# KiCad board mainboard.kicad_pcb (continued)
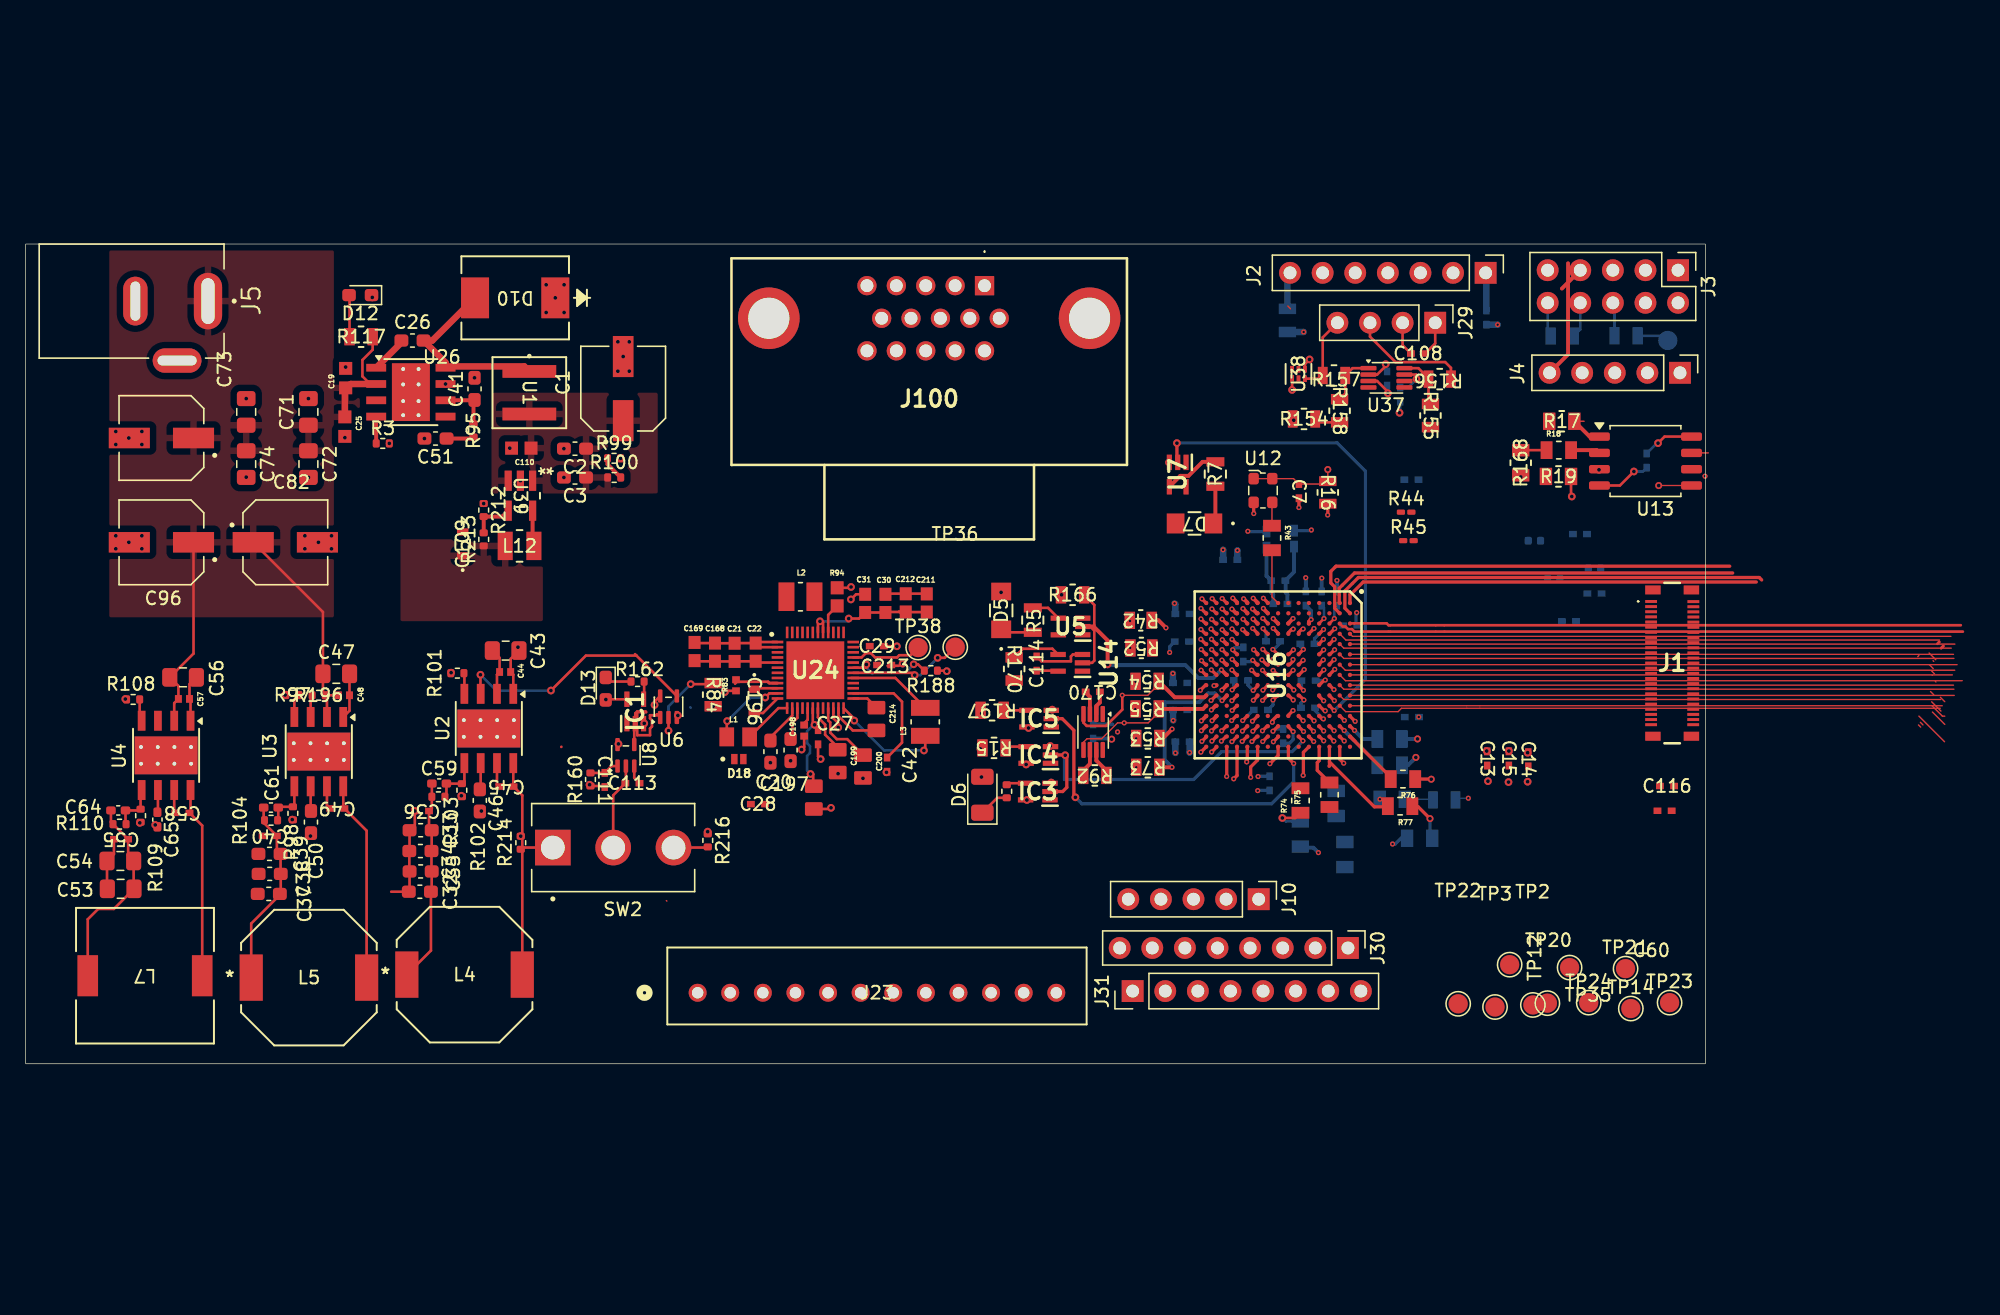
[diagram p0: board, top side]
## Routing (per net, layer and track width the routed paths; a pad name or vN(x,y) marks a point on that pad's centre or on a via; arc(x,y) is an arc through that point) (continued)
P5V: length 21.1
  Top w0.2: U38.1 v1(98.66,52.51) ; C169.1 52.16,32.78 C168.1 53.71,32.77 C21.1 55.24,32.78 C22.1 ; U24.2 57.19,32.46 C22.1 ; C22.1 56.95,32.86 U24.1 ; U24.10 56.84,29.26 C196.1 56.91,29.04 ; C214.1 65.57,28.46 U24.25 ; 61.35,21.89 61.35,22.55 61.32,22.58 v1(61.14,22.58) ; v1(61.46,26.4) 61.53,26.4 61.73,26.21 C27.1 61.32,26.4 U24.18
  Bottom w0.2: v1(61.14,22.58) 60.87,22.85 60.87,23.99 61.1,24.21 61.1,24.75 60.87,24.97 60.87,25.91 61.37,26.4 v1(61.46,26.4)
V2V5: length 3.9
  Top w0.2: U24.19 61.72,26.99 62.28,26.43 62.28,25.64 63.26,24.66 C199.1
(no net): length 0.1
  Top w0.2: 117,21.97 v1(117.01,21.98) ; v1(115.52,21.95) 115.52,21.96 115.53,21.97 ; v1(113.92,22.02) 113.9,22.04 113.9,22.06
/DLPA2005_Interface/<NO NET>: length 3.8
  Top w0.2: L1.1 58.64,27.71 U24.13
/DLPA2005_Interface/LED_ANODE: length 11.4
  Top w0.2: C212.1 67.02,35.2 C30.1 65.4,35.16 C31.1 64.93,34.69 v1(64.12,34.69) ; 61.86,34.46 62.08,34.46 62.12,34.42 U24.41 ; 61.86,34.46 61.76,34.46 61.72,34.42 U24.42 ; 61.86,34.46 61.87,34.46 v1(61.88,34.47) ; 68.04,35.24 68.09,35.19 C211.1
  Bottom w0.2: v1(64.12,34.69) 64.1,34.67 64.1,34.47 v1(61.88,34.47)
/DLPA2005_Interface/LED_SEL_1: length 2.2
  Bottom w0.1: R174.2 109.59,20.61 R171.2
/DLPA2005_Interface/PMIC_SPI_DOUT: length 4.5
  Top w0.2: 57.88,29.66 U24.9 57.95,29.66 57.85,29.76 55.41,29.76 55.27,29.63 55.27,29.85 R83.1 55.4,29.99
/DLPA2005_Interface/PROJ_ON: length 9.5
  Top w0.2: U6.1 49.18,27.23 49.11,27.16 48.64,27.16 48.64,26.92 48.79,26.77 48.79,26.27 48.64,26.12 48.64,25.6 47.64,25.6 47.64,26.22 47.59,26.27 47.59,26.77 47.64,26.82 47.64,27.4 48.33,27.4 48.29,27.44 47.63,27.44 47.49,27.3 IC1.2 47.41,26.42 U8.4
/DLPA2005_Interface/PWM_IN: length 8.9
  Top w0.2: U24.26 67.62,28.86 68.27,28.21 68.27,25.02 C42.2
/DLPA2005_Interface/RC_CHARGE: length 0.6
  Top w0.25: v3(97.2,25.09) 97.57,25.46 97.57,25.5
/DLPA2005_Interface/RLIM: length 2.4
  Top w0.2: U24.40 62.52,34.97 R94.1
/DLPA2005_Interface/SENS2: length 9
  Top w0.2: v1(71.05,31.63) 71.59,31.63 TP36.1 ; v1(69.26,30.28) 69.28,30.3 69.28,30.4 69.22,30.46 U24.30
  Bottom w0.2: v1(69.26,30.28) 69.7,30.28 v1(71.05,31.63)
/DLPA2005_Interface/SENS!: length 5.7
  Top w0.2: U24.33 65.12,31.66 65.45,31.99 65.84,31.99 66.17,31.66 67.88,31.66 68.05,31.83 68.93,31.83 TP38.1
/DLPA2005_Interface/SWC: length 8.9
  Top w0.2: L3.1 70.08,24.51 v1(69.98,24.41) ; v1(64.55,26.74) 64.55,26.88 U24.24
  Bottom w0.2: v1(64.55,26.74) 66.88,24.41 v1(69.98,24.41)
/DLPA2005_Interface/SWN: length 6.3
  Top w0.2: L1.2 54.62,26.67 v1(54.65,26.7) ; U24.11 57.94,28.86 v1(57.62,28.54) 57.62,28.54
  Bottom w0.2: 57.77,28.69 v1(57.62,28.54) 56.49,28.54 v1(54.65,26.7)
/DLPA2005_Interface/VRST: length 3.2
  Top w0.2: U24.14 59.72,27.13 58.02,25.43 C20.1
/DLPC1438_Interface/CMP_OUT: length 0.6
  Top w0.25: v3(103.57,26.68) 103.17,27.08 103.17,27.1
/DLPC1438_Interface/DATEN_CM_D: length 0.5
  Top w0.25: 92.77,35.1 92.75,35.1 v3(92.41,35.44)
/DLPC1438_Interface/DLPC_3DR: length 0.5
  Top w0.25: 93.57,31.9 93.57,31.9 v3(93.2,32.27)
/DLPC1438_Interface/DLPC_FLSH_PROG: length 2.5
  Bottom w0.2: R163.1 127.57,56.72 TP7.1
/DLPC1438_Interface/DLPC_HOST_IRQ: length 22.6
  Top w0.2: U14.2 83.08,31.24 83.25,31.41 83.25,33.75 82.93,34.07 U5.2 83.15,34.07 83.25,34.17 83.25,35.75 R166.2
  Top w0.3: 84.13,31.12 v1(84.29,31.12) 84.29,32.98 83.2,34.07 U5.2 ; v3(93.15,30.69) 93.54,30.3 93.57,30.3
  Bottom w0.3: v3(93.15,30.69) 92.52,30.06 91.36,30.06 90.36,31.06 84.33,31.06 84.33,31.08 v1(84.29,31.12)
/DLPC1438_Interface/DLPC_LED_SEL_0: length 1.4
  Top w0.25: v3(102.68,23.42) 102.37,23.73 102.37,24.7
/DLPC1438_Interface/DLPC_LED_SEL_1: length 1.6
  Top w0.25: v3(102.72,25.15) 102.37,25.5 102.37,25.5
  Bottom w0.1: 111.32,20.69 v3(112.39,20.69)
/DLPC1438_Interface/DLPC_PLLO: length 0.5
  Top w0.25: v3(96.42,36.27) 96.77,35.92 96.77,35.9
/DLPC1438_Interface/DLPC_SPICLK: length 2.5
  Top w0.25: 103.17,26.3 103.19,26.3 v3(103.52,25.97)
  Bottom w0.3: R172.2 104.18,25.31 v3(103.52,25.97)
/DLPC1438_Interface/DLPC_SPICSZ0: length 5.2
  Top w0.25: 103.56,25.13 103.19,25.5 103.17,25.5 106.34,22.33 R76.2
/DLPC1438_Interface/DLPC_SPIDOUT: length 4.3
  Top w0.25: 102.37,26.3 102.38,26.3 v3(102.72,25.96)
  Bottom w0.3: R173.2 105.31,23.38 v3(102.72,25.96)
/DLPC1438_Interface/DMD_DEN_ARSTZ: length 32.3
  Top w0.25: 102.37,35.9 102.33,35.94 102.33,37.05 103.52,38.24 132.98,38.24
/DLPC1438_Interface/DMD_HS_CLK_N: length 48.1
  Top w0.1: 102.37,31.1 102.81,30.66 150.28,30.66
/DLPC1438_Interface/DMD_HS_CLK_P: length 47.7
  Top w0.1: 148.31,31.09 148.61,30.79 ; 103.17,31.1 150.46,31.1
/DLPC1438_Interface/DMD_HS_WDATAA_N: length 47.3
  Top w0.1: 147.63,26.23 147.46,26.4 ; 149.15,27.7 107.18,27.7 106.92,27.43 102.83,27.43 102.37,27.9
/DLPC1438_Interface/DMD_HS_WDATAA_P: length 46.4
  Top w0.1: 103.17,27.9 149.3,27.9 ; 147.81,26.4 147.61,26.6
/DLPC1438_Interface/DMD_HS_WDATAB_N: length 49.8
  Top w0.1: 102.37,28.7 102.69,28.38 149.19,28.38 ; 147.49,27.09 149.49,25.09
/DLPC1438_Interface/DMD_HS_WDATAB_P: length 48.8
  Top w0.1: 148.4,29 148.65,28.75 ; 103.17,28.7 150.24,28.7 ; 148.55,27.4 149.51,26.44
/DLPC1438_Interface/DMD_HS_WDATAC_N: length 49.3
  Top w0.1: 149.51,27.08 149.32,27.08 148.52,27.89 ; 150.22,29.18 102.69,29.18 102.37,29.5
/DLPC1438_Interface/DMD_HS_WDATAC_P: length 48
  Top w0.1: 148.49,28.2 149.21,27.48 ; 103.17,29.5 150.18,29.5
/DLPC1438_Interface/DMD_HS_WDATAD_N: length 49.2
  Top w0.1: 149.17,28.55 149.51,28.21 ; 148.77,29.8 148.82,29.75 ; 102.37,30.3 102.82,29.85 150.86,29.85
/DLPC1438_Interface/DMD_HS_WDATAD_P: length 46.9
  Top w0.1: 103.17,30.3 150.09,30.3
/DLPC1438_Interface/DMD_HS_WDATAE_N: length 48
  Top w0.1: 148.52,30.29 148.54,30.27 ; 150.22,31.58 102.69,31.58 102.37,31.9
/DLPC1438_Interface/DMD_HS_WDATAE_P: length 47.3
  Top w0.1: 103.17,31.9 150.18,31.9 ; 148.49,30.6 148.71,30.38
/DLPC1438_Interface/DMD_HS_WDATAF_N: length 48.2
  Top w0.1: 150.01,32.38 102.69,32.38 102.37,32.7
  Top w0.2: 149.25,32.4 149.39,32.54 149.22,32.38
/DLPC1438_Interface/DMD_HS_WDATAF_P: length 47.2
  Top w0.1: 148.6,31.4 148.65,31.35 ; 103.17,32.7 150.29,32.7
/DLPC1438_Interface/DMD_HS_WDATAG_N: length 47
  Top w0.1: 102.37,33.5 102.85,33.01 149.1,33.01 ; 147.4,31.72 147.49,31.8
/DLPC1438_Interface/DMD_HS_WDATAG_P: length 47.6
  Top w0.1: 103.17,33.5 103.37,33.3 149.98,33.3 ; 148.29,32 148.81,31.48
/DLPC1438_Interface/DMD_HS_WDATAH_N: length 48.8
  Top w0.2: 102.37,34.3 102.6,34.07 102.81,34.07 103.02,33.86 103.32,33.86 103.52,33.67 150.92,33.67
/DLPC1438_Interface/DMD_HS_WDATAH_P: length 47.9
  Top w0.2: 103.17,34.32 106.02,34.32 106.17,34.17 150.76,34.17 ; 149.06,32.87 149.07,32.86 148.93,32.72
/DLPC1438_Interface/DMD_LS_RDATA: length 34.8
  Top w0.25: 102.37,35.1 101.98,35.49 101.98,35.64 101.98,35.64 101.98,37.16 101.68,37.46 101.68,38.36 102.08,38.77 132.75,38.77
/DLPC1438_Interface/EXT_I2CPWR: length 2.7
  Top w0.2: J29.1 109.81,56.13 C108.2
/DLPC1438_Interface/EXT_SCL: length 9.3
  Top w0.2: J29.3 104.73,56.65 106.71,54.67 110.58,54.67 111.04,54.22 R156.1
/DLPC1438_Interface/EXT_SCL_T: length 4.3
  Top w0.2: R155.1 109.28,51.57 R156.2 108.81,53.82 108.81,53.89 108.5,54.2 U37.8
/DLPC1438_Interface/EXT_SDA: length 6.1
  Top w0.2: U38.3 100.8,53.38 R157.1 101.05,56.6 J29.4
/DLPC1438_Interface/EXT_SDA_T: length 4.1
  Top w0.2: U37.1 103.37,54.2 R157.2 102.8,52.22 R158.1
/DLPC1438_Interface/FPGA_RDY: length 0.6
  Top w0.25: 95.97,25.5 95.92,25.5 v3(95.53,25.11)
/DLPC1438_Interface/GPIO_1: length 7.8
  Top w0.25: 101.57,24.7 101.57,23.52 ; 101.57,23.52 101.57,23.21 101.54,23.18 ; 101.57,23.52 105.07,20.02 106.39,20.02
/DLPC1438_Interface/GPIO_2: length 0.5
  Top w0.25: v3(101.12,25.16) 100.78,25.5 100.77,25.5
/DLPC1438_Interface/GPIO_3: length 3.2
  Top w0.25: R75.2 100.62,22.86 100.62,23.47 100.77,23.62 100.77,24.7
/DLPC1438_Interface/GPIO_4: length 0.5
  Top w0.25: v3(100.34,25.11) 99.97,25.48 99.97,25.5
/DLPC1438_Interface/GPIO_5: length 2.4
  Top w0.25: v3(99.52,22.47) 99.54,22.49 99.54,24.27 99.97,24.7
/DLPC1438_Interface/GPIO_12: length 0.6
  Top w0.25: 96.77,25.5 96.76,25.5 v3(96.37,25.11)
/DLPC1438_Interface/GPIO_15: length 3.2
  Top w0.25: v3(95.43,22.32) 95.43,23.12 95.97,23.66 95.97,24.7
  In1.Cu w0.2: 103.4,-17.05 103.34,-17.11 103.34,-17.58
/DLPC1438_Interface/GPIO_16: length 0.6
  Top w0.25: v3(94.77,25.12) 95.15,25.5 95.17,25.5
/DLPC1438_Interface/GPIO_17: length 1.2
  Top w0.25: 95.17,24.7 95.17,23.57 v3(95.12,23.52)
/DLPC1438_Interface/GPIO_18: length 0.6
  Top w0.25: 94.37,25.5 v3(93.97,25.1)
/DLPC1438_Interface/GPIO_19: length 2.6
  Top w0.25: v3(94.11,22.2) 94.37,22.46 94.37,24.7
/DLPC1438_Interface/HOST_IR: length 3.9
  Top w0.2: R170.1 77.68,32.34 79.98,32.34 U14.4
/DLPC1438_Interface/HSYNC: length 0.5
  Top w0.3: 93.57,32.7 93.56,32.7 v3(93.22,33.04)
/DLPC1438_Interface/I2C1_33_EN: length 2.2
  Top w0.3: R92.2 82.39,22.84 82.91,23.36 U22.6
/DLPC1438_Interface/IIC0_SCL: length 11.8
  Top w0.3: 93.57,28.7 93.57,28.67 v3(93.2,28.3) ; R73.1 89.3,23.1 v3(89.3,23.1)
  Bottom w0.3: v3(89.3,23.1) 88.74,23.67 88.74,28.17 91.43,28.17 92.12,28.86 92.64,28.86 v3(93.2,28.3)
/DLPC1438_Interface/IIC0_SDA: length 1.8
  Top w0.3: R53.1 88.58,25.35 v3(89.31,26.08) ; v3(93.19,29.11) 93.57,29.49 93.57,29.5
/DLPC1438_Interface/IIC1_SCL_1p8: length 11.9
  Top w0.1: 88.52,27.9 R55.1 88.27,27.38 87.45,26.56 v3(85.58,26.56) 85.06,26.56 83.83,25.33 82.68,25.33 82.41,25.05 U22.5
  Top w0.3: R55.1 91.72,27.65 91.97,27.9
/DLPC1438_Interface/IIC1_SDA_1p8: length 13.1
  Top w0.1: 85.5,28.71 87.42,28.71 88.27,29.56 R54.1
  Top w0.2: U22.4 82.41,26.57 82.66,26.33 84.16,26.33 85.43,27.6 v3(85.43,28.71)
  Top w0.3: R54.1 89.51,28.56 91.83,28.56 91.97,28.7
/DLPC1438_Interface/INTZ: length 7.7
  Top w0.2: v1(51.81,29.58) 53.48,29.58 R84.1 ; U6.2 v1(50.08,25.95)
  Top w0.25: 101.57,26.3 101.58,26.3 v3(101.93,25.95)
  Bottom w0.2: v1(50.08,25.95) 50.08,27.85 v1(51.81,29.58) ; 51.81,27.74 51.78,27.77
/DLPC1438_Interface/JTAG_TCK: length 0.5
  Top w0.3: v3(92.42,26.73) 92.77,27.08 92.77,27.1
/DLPC1438_Interface/JTAG_TDI: length 0.5
  Top w0.25: 92.77,26.3 92.75,26.3 v3(92.38,25.93)
/DLPC1438_Interface/JTAG_TDO: length 0.5
  Top w0.25: v3(93.17,25.94) 93.53,26.3 93.57,26.3
/DLPC1438_Interface/JTAG_TMS: length 0.5
  Top w0.25: v3(94.01,25.91) 94.37,26.27 94.37,26.3
/DLPC1438_Interface/JTAG_TRSTZ: length 4
  Top w0.1: 98.32,59.04 98.54,58.82
  Top w0.3: v3(92.37,27.57) 92.7,27.9 92.77,27.9
  Bottom w0.1: 98.5,59.02 R164.2
  Bottom w0.5: R164.2 98.3,61.43 J2.7
/DLPC1438_Interface/LS_CLK: length 32.7
  Top w0.25: 103.17,35.9 103.17,36.58 103.24,36.58 104.2,37.54 134.82,37.54
/DLPC1438_Interface/LS_WDATA: length 34.9
  Top w0.25: 135.24,37.7 135.05,37.89 103.82,37.89 102.77,36.84 102.77,35.5 103.17,35.1
/DLPC1438_Interface/OSC_OUT: length 4.3
  Top w0.1: R43.2 97.09,36.38 97.57,35.9
/DLPC1438_Interface/OSC_OUT_T: length 1.8
  Top w0.1: U12.3 97.09,43.72 R43.1
/DLPC1438_Interface/PCLK: length 0.5
  Top w0.25: 92.77,34.3 92.72,34.3 v3(92.39,34.63)
/DLPC1438_Interface/PDATA0: length 0.5
  Top w0.3: v3(95.58,35.44) 95.92,35.1 95.97,35.1
/DLPC1438_Interface/PDATA1: length 0.5
  Top w0.3: 95.97,35.9 95.97,35.93 v3(95.63,36.27)
/DLPC1438_Interface/PDATA2: length 0.5
  Top w0.3: 95.17,35.1 95.17,35.12 v3(94.83,35.46)
/DLPC1438_Interface/PDATA3: length 0.5
  Top w0.3: v3(94.88,36.23) 95.17,35.94 95.17,35.9
/DLPC1438_Interface/PDATA4: length 0.5
  Top w0.3: 94.37,35.1 94.3,35.1 v3(93.97,35.43)
/DLPC1438_Interface/PDATA5: length 0.5
  Top w0.3: v3(94.04,36.28) 94.37,35.95 94.37,35.9
/DLPC1438_Interface/PDATA6: length 0.5
  Top w0.25: v3(93.21,35.44) 93.55,35.1 93.57,35.1
/DLPC1438_Interface/PDATA7: length 0.5
  Top w0.25: 93.57,35.9 93.56,35.9 v3(93.21,36.25)
/DLPC1438_Interface/PDM_CVS_TE: length 1.9
  Top w0.1: R42.1 87.8,34.55
  Top w0.3: v3(93.21,33.82) 93.53,33.5 93.57,33.5 ; v3(88.83,33.97) 88.25,34.55 R42.1
/DLPC1438_Interface/RESETZ: length 37.3
  Top w0.25: v3(101.94,27.52) 101.57,27.89 101.57,27.9 ; U7.2 89.69,46.92 v1(89.69,48.36)
  Bottom w0.25: v1(89.69,48.36) 89.71,48.38 102.17,48.38 104.37,46.18 104.37,29.95 v3(101.94,27.52)
/DLPC1438_Interface/RSTZ_LED: length 2.7
  Top w0.3: R7.1 92.68,42.25
/DLPC1438_Interface/RSTZ_LED_OUT: length 4.4
  Top w0.3: U7.4 89.95,45.81 90.59,45.81 91.68,46.9 R7.2
/DLPC1438_Interface/SPI0_5V: length 2.7
  Top w0.2: 126.13,59.23 J3.4
  Bottom w0.2: J3.6 123.78,59.17 R163.2
/DLPC1438_Interface/SPI0_CLK: length 14.2
  Top w0.2: R19.2 120.39,44.26 v1(120.45,44.2)
  Top w0.3: J3.7 119.68,60.4 ; J4.5 120.16,55.28 120.16,62.37
  Bottom w0.2: v1(120.45,44.2) 120.28,44.37
  Bottom w0.3: R172.1 v2(108.43,25.31)
/DLPC1438_Interface/SPI0_CSZ0: length 4.8
  Top w0.1: 121.41,50.06 R17.2 ; 122.82,49.08 U13.1
  Top w0.25: R76.1 109.49,22.18 v2(109.5,22.17)
  Top w0.3: U13.1 121.84,48.87 R17.2
/DLPC1438_Interface/SPI0_MISO: length 2.5
  Top w0.2: R18.1 116.48,47.81 R168.2
  Top w0.25: v3(102.73,26.75) 102.38,27.1 102.37,27.1
  Bottom w0.1: 126.33,53.83 J4.2
/DLPC1438_Interface/SPI0_MISO_T: length 2.6
  Top w0.1: 120.61,47.6 R18.2
  Top w0.3: R18.2 122.39,47.81 U13.2
/DLPC1438_Interface/SPI0_MOSI: length 6.7
  Top w0.1: U13.5 127.23,45.06 v2(127.22,45.05)
  Bottom w0.2: J3.8 121.11,57.21 R165.2
  Bottom w0.3: v2(108.3,23.87) 107.69,23.26 R173.1
/DLPC1438_Interface/SPI1_CLK: length 3.1
  Top w0.25: 108.3,20.02 108.48,20.02 v2(109.4,19.1)
  Bottom w0.25: R176.1 109.4,17.75 v2(109.4,19.1)
/DLPC1438_Interface/SPI1_MISO: length 1.4
  Top w0.2: R83.2 54.57,29.06 v1(54.47,28.96)
  Top w0.25: v3(101.91,25.14) 101.57,25.48 101.57,25.5
/DLPC1438_Interface/SPI1_MOSI: length 3.1
  Top w0.2: R74.1 98.91,19.15 v1(97.9,19.15)
  Bottom w0.2: v1(97.9,19.15) 98.17,18.88 R178.1
/DLPC1438_Interface/THERM_PWR: length 1.6
  Top w0.25: 97.57,24.7 97.57,24.02 v3(96.93,23.38)
/DLPC1438_Interface/TSTPT_0: length 0.5
  Top w0.3: 91.97,27.1 v3(91.59,26.72)
/DLPC1438_Interface/TSTPT_1: length 0.5
  Top w0.3: v3(91.59,25.95) 91.94,26.3 91.97,26.3
/DLPC1438_Interface/TSTPT_2: length 0.5
  Top w0.25: v3(91.63,25.12) 91.97,25.46 91.97,25.5
/DLPC1438_Interface/TSTPT_3: length 0.6
  Top w0.25: 91.97,24.7 v3(91.55,24.28)
/DLPC1438_Interface/TSTPT_4: length 0.5
  Top w0.25: 92.77,25.5 v3(92.41,25.14)
/DLPC1438_Interface/TSTPT_5: length 8.5
  Top w0.25: v3(92.39,24.29) 92.77,24.67 92.77,24.7
  In7.Cu w0.2: 92.18,-2.19 91.95,-2.42 91.95,-8.65 92.95,-9.65
/DLPC1438_Interface/TSTPT_6: length 0.6
  Top w0.25: 93.57,25.5 93.51,25.5 v3(93.15,25.14)
/DLPC1438_Interface/TSTPT_7: length 2.3
  Top w0.25: v3(93.56,22.39) 93.57,22.4 93.57,24.7
/DLPC1438_Interface/VOSC: length 7
  Top w0.1: 101.43,46.31 v2(101.44,46.3) R16.1 101.22,45.17 C7.1 98.77,45.59 U12.4 U12.1
/DLPC1438_Interface/VSYNC: length 0.5
  Top w0.25: 92.77,35.9 92.77,35.9 v3(92.43,36.24)
/DMD_Interface/PRINT_ACTIVE: length 1.8
  Top w0.2: IC5.4 R197.1
/DMD_Interface/SYS_RDY: length 2.1
  Top w0.2: IC4.4 76.44,24.71 R15.1
  In1.Cu w0.2: 108.57,-6.35 108.57,-6.28 108.82,-6.03
/DMD_Interface/SYS_RDY_LED: length 2.4
  Top w0.2: R6.1 75.69,20.72 D6.1
/DMD_Interface/SYS_RDY_LED_DRV: length 1.5
  Top w0.2: IC3.4 76.55,21.86 R6.2
/FPGA_Connections/FE_PROJ_ON: length 2.3
  Top w0.2: U8.1 45.64,23.2 C111.1 45.1,22.66 R160.2
/Power_Input&Generation/FPGA_PWREN: length 19.9
  Top w0.2: v1(40.92,29.08) 43.64,31.8 47.58,31.8 ; v1(35.43,30.31) 35.43,28.84 U2.3 ; 47.58,31.8 47.47,31.91 ; 47.58,31.8 U6.4
  Bottom w0.2: v1(35.43,30.31) 36.66,29.08 v1(40.92,29.08)
/Power_Input&Generation/P1P2V_BOOT: length 1.9
  Top w0.2: C45.2 36.72,21.78 U2.7
/Power_Input&Generation/P1P2V_FB: length 4
  Top w0.2: R103.2 32.78,20.92 C59.2 32.79,21.82 R102.1 34.18,22.02 U2.5
/Power_Input&Generation/P1P2V_PG: length 1.6
  Top w0.2: R101.1 34.18,30.4 U2.4
/Power_Input&Generation/P1P2V_SW: length 16.8
  Top w0.2: L4.2 38.69,20.91 C45.1 37.99,21.61 U2.8
/Power_Input&Generation/P1P2V_VCC: length 2.1
  Top w0.2: U2.6 35.45,21.44 C46.1
/Power_Input&Generation/P1P8V_BOOT: length 1.8
  Top w0.2: C49.2 23.47,20.14 U3.7
/Power_Input&Generation/P1P8V_EN: length 1.7
  Top w0.2: R196.2 22.2,28.6 U3.3
/Power_Input&Generation/P1P8V_FB: length 3.8
  Top w0.2: R104.2 19.68,19.02 C61.2 19.74,20.02 R98.1 20.93,20.14 U3.5
/Power_Input&Generation/P1P8V_PG: length 1.9
  Top w0.2: R97.1 20.93,28.38 U3.4
/Power_Input&Generation/P1P8V_SW: length 15.7
  Top w0.2: U3.8 24.74,19.98 C49.1 26.56,18.16 L5.2
/Power_Input&Generation/P1P8V_VCC: length 1.9
  Top w0.2: C50.1 22.2,19.72 U3.6
/Power_Input&Generation/P3P3V_BOOT: length 1.8
  Top w0.2: C58.2 11.57,19.64 U4.7
/Power_Input&Generation/P3P3V_FB: length 3.8
  Top w0.2: R110.2 7.78,18.71 C64.2 8.85,19.74 R109.1 8.95,21.25 U4.5
/Power_Input&Generation/P3P3V_PG: length 1.7
  Top w0.2: U4.4 8.88,26.88 R108.1
/Power_Input&Generation/P3P3V_SW: length 14.9
  Top w0.2: U4.8 12.84,19.63 C58.1 13.75,18.56 L7.1
/Power_Input&Generation/P3P3V_VCC: length 1.7
  Top w0.2: U4.6 10.3,19.64 C65.1
/Power_Input&Generation/PROJ_ON_DRV: length 1.4
  Top w0.2: IC1.4 48.18,28.44 R162.2
/Power_Input&Generation/SW_PROJ_ON: length 6.8
  Top w0.2: SW2.2 45.77,20.92 C113.1 46.76,21.91 U8.2
EXT_VIN: length 45.1
  Top w0.2: R196.1 23.16,28.89 C47.1 23.16,35.2 C82.1 ; R196.1 C48.1 ; R196.1 23.47,28.58 U3.2 ; U4.2 11.57,28.1 C57.1 11.9,29.44 C56.1 13.08,31.96 C96.1 ; U2.2 36.72,30.32 C44.1 36.92,31.63 C43.1 ; U26.2 26.83,52.97 26.23,53.57 26.23,54.84 27.03,55.64 R117.2
  Top w0.5: U26.2 25.33,52.97 24.93,52.56 ; 24.87,50.51 24.87,52.5
GPIO_6: length 27.4
  Top w0.25: 99.17,25.5 99.17,25.49 v3(99.5,25.16) ; IC3.2 80.79,21.21 81.11,21.53 81.11,23.91 v1(80.98,24.04) 80.96,24.06 IC4.2
  Bottom w0.25: v3(99.5,25.16) 98.66,24.32 93.17,24.32 91,22.15 80.93,22.15 80.93,23.99 v1(80.98,24.04)
GPIO_9: length 28.2
  Top w0.25: 98.37,24.7 98.37,23.81 v3(98.78,23.4) ; IC5.2 80.75,26.89 81.66,25.98 81.66,20.88 v1(81.78,20.76)
  Bottom w0.25: v3(98.78,23.4) 98.78,21.97 97.06,20.25 82.28,20.25 v1(81.78,20.76)
P1P1V: length 29.4
  Top w0.2: v3(101.14,34.69) 100.77,34.32 100.77,34.3 100.78,34.3 ; L3.2 67.75,30.06 64.31,30.06 ; v3(101.95,34.69) 101.57,34.31 101.57,34.3
  Top w0.25: 99.17,26.3 99.17,26.27 v3(99.55,25.89) ; v3(94.03,32.26) 94.03,32.24 94.37,31.9 ; 100.77,26.3 100.77,26.28 v3(101.12,25.93) ; v3(101.24,29.9) 101.17,29.9 100.77,29.5 ; v3(101.09,31.47) 100.77,31.15 100.77,31.1 ; 94.37,29.5 94.36,29.5 v3(93.99,29.13) ; v3(97.17,25.91) 97.56,26.3 97.57,26.3 ; v3(96.4,33.91) 96.4,33.87 96.77,33.5 ; v3(101.93,33.07) 101.57,32.71 101.57,32.7 ; 95.17,26.3 v3(94.79,25.92) ; v3(94.81,26.74) 95.17,27.1 ; 100.77,32.7 100.77,32.74 v3(101.1,33.07) ; v3(93.97,28.29) 94.37,28.69 94.37,28.7 ; 100.77,27.1 101,26.87 v3(101.1,26.87)
  Top w0.3: v3(95.62,34.65) 95.97,34.3 95.97,34.3 ; 95.17,33.5 95.14,33.5 v3(94.81,33.83) ; 99.97,34.3 99.97,34.44 v3(100.14,34.61)
  Bottom w0.2: v3(101.95,34.69) 101.95,35.49 C126.2 ; v3(101.14,34.69) 101.14,35.51 C127.2 ; 99.62,35.59 C128.2
  Bottom w0.25: 96.63,32.8 96.63,33.68 v3(96.4,33.91) ; C139.2 101.2,29.86 v3(101.24,29.9) ; v3(94.81,26.74) 95.64,27.57 C141.2 ; 102.54,34.15 102.49,34.15 ; F3.2 95.24,41.47 v3(95.21,41.49) ; 98.09,26.08 C155.2 97.35,26.08 v3(97.17,25.91) ; v3(93.99,29.13) 94.12,29.26 C143.2 ; v3(94.03,32.26) 94.19,32.41 94.77,32.41 ; C140.2 100.46,27.52 v3(101.1,26.87)
  Bottom w0.3: v3(100.14,34.61) 100.14,35.29 C128.2
  Bottom w0.5: v3(93.28,40.05) 93.29,40.04 C120.2
P1P2V: length 15.9
  Top w0.2: C59.1 31.64,20.81 R103.1 31.64,19.91 C36.1 31.42,18.4 C33.1 31.63,16.59 C34.1 31.61,15 C35.1 31.63,13.46 C32.1 31.57,8.82 L4.1
P1P8V: length 19
  Top w0.2: v1(106.12,52.25) 106.12,52.37 105.29,53.2 U37.3 ; v1(63.3,26.2) 63.3,26.54 62.92,26.92 U24.22 ; C61.1 18.54,19.04 R104.1 18.61,18.71 C40.1 19.57,16.64 C39.1 19.86,14.8 C38.1 19.87,13.3 C37.1 19.8,13.16 17.57,10.93 L5.1
  Bottom w0.2: C238.2 106.12,52.78 v1(106.12,52.25)
P1P8V_DLPC: length 17
  Top w0.2: R166.1 v1(80.7,36.54) ; IC5.5 78.05,26.24 v1(78.13,26.16) ; U14.5 80.39,30.63 C114.1 ; IC3.5 77.99,20.56 v1(78,20.55) ; IC4.5 v1(77.94,23.32)
  Top w0.25: 94.37,31.05 94.37,31.13 v3(93.99,31.51) ; R16.2 101.44,42.77 v3(101.43,42.76) ; 94.37,27.9 94.36,27.9 v3(93.99,27.53) ; 99.97,27.1 99.99,27.1 v3(100.37,26.72) ; v3(101.92,29.15) 101.57,29.5 101.57,29.5 ; v3(95.6,25.91) 95.97,26.28 95.97,26.3 ; 99.17,27.1 99.17,27.08 v3(99.52,26.73) ; v3(101.11,33.84) 100.77,33.5 ; v3(101.93,31.49) 101.57,31.13 101.57,31.1 ; v3(93.21,34.64) 93.55,34.3 93.57,34.3 ; v3(94.02,34.64) 94.36,34.3 94.37,34.3
  Top w0.3: R53.2 v3(86.51,25.35) ; v3(86.44,27.63) 86.46,27.65 R55.2 ; v3(86.46,29.77) 86.47,29.77 R54.2 ; U22.3 82.91,28.59 82.58,28.92 C170.2 ; v3(93.19,31.45) 93.54,31.1 93.57,31.1
  Bottom w0.25: 113.74,58.75 C112.2 ; v3(101.11,33.84) 100.41,33.13 C129.2 ; v3(95.98,21.28) 96,21.3 C156.2
  Bottom w0.3: 102.2,19.3 102.2,19.3 R177.1
  Bottom w0.5: C112.2 113.8,61.57 J2.1 ; v3(90.67,24.25) 90.67,24.25 C157.2
  vias: v3(86.52,23.1)
P3P3V: length 20.3
  Top w0.2: v1(74.38,24.53) 74.46,24.61 R15.2 ; R197.2 74.39,27.39 v1(74.48,27.3) ; C64.1 6.64,18.83 R110.1 6.81,18.67 C55.1 7.98,16.23 C54.1 8.41,13.73 8.31,13.63 ; D5.2 76,36.74 v1(75.99,36.73) ; L7.2 4.84,11.25 5.65,12.06 6.87,12.06 C53.1 ; D6.2 74.48,22.36 v1(74.46,22.34)
  Top w0.3: U22.7 83.41,23.63 84.19,22.84 R92.1
  Bottom w0.3: v2(84.6,25.29) 84.55,25.34 C171.1
P3P3V_SB: length 9.3
  Top w0.1: 130.81,45.76 v3(130.83,45.78) ; U13.7 131.09,47.6 ; 118.69,50.06 v3(118.68,50.07)
  Top w0.2: U13.8 127.68,48.87 v1(127.17,48.36) ; v1(53.13,18.08) 53.14,18.07 R216.1 ; U13.3 122.6,46.31 v1(122.57,46.28) ; R108.2 7.79,28.39 v1(7.76,28.42) ; U6.5 48.99,28.22 v1(48.99,27.96) ; R97.2 v1(20.21,28.73) ; v1(33.14,30.47) 33.12,30.45 R101.2 ; D13.2 45.19,28.37 v1(45.2,28.38) 45.22,28.4 IC1.5 ; v1(98.79,50.14) 98.71,50.22 R154.1 ; U8.5 46.13,24.87 v1(46.18,24.92)
  Top w0.25: v3(101.24,27.5) 101.17,27.5 100.77,27.9
  Bottom w0.2: C115.1 127.09,48.36 v1(127.17,48.36)
  vias: v1(53.56,27.86)
VBIAS: length 2.4
  Top w0.2: 59.74,25.48 59.74,26.58 60.12,26.96 U24.15
VOFS: length 1.4
  Top w0.2: C198.2 60.65,26.54 60.92,26.81 U24.17
Net-(C51-Pad1): length 2.1
  Top w0.3: C51.1 34.77,48.72 R95.2
Net-(D5-Pad1): length 2.6
  Top w0.2: R5.1 76.23,33.62 D5.1
Net-(D10-C): length 14.9
  Top w0.5: D10.2 31.68,56.35 C26.2 32.71,54.64 U26.8 32.81,54.34 38.85,54.34 U1.1
Net-(D12-A): length 3.3
  Top w0.2: R117.1 25.23,59.86 D12.2
Net-(D13-K): length 2.1
  Top w0.2: D13.1 45.51,29.78 R162.1
Net-(R100-Pad2): length 1.9
  Top w0.3: R99.1 45.33,46.71 R100.2
Net-(R214-Pad1): length 2.6
  Top w0.2: SW2.1 38.7,16.84 R214.1
Net-(R216-Pad2): length 2.7
  Top w0.2: SW2.3 53.09,16.84 R216.2
Net-(U5-Y): length 2.3
  Top w0.2: R5.2 79.65,35.52 U5.4
Net-(U24-LED_SEL0): length 7
  Top w0.2: U24.31 65.25,30.86 ; 65.46,30.86 65.49,30.86 v1(65.49,31.11) 65.49,30.93 65.43,30.86 65.32,30.86 ; v1(69.18,31.13) 69.51,31.13 R188.2 ; 65.39,30.94 65.45,30.88
  Bottom w0.2: 65.97,30.38 65.49,30.86 v1(65.49,31.11) ; 65.9,30.49 68.56,30.49 69.18,31.11 v1(69.18,31.13)
Net-(U24-LS_OUT): length 5.3
  Top w0.2: C200.1 65.23,24.06 64,25.29 63.19,25.29 62.68,25.81 62.68,26.59 62.52,26.75 U24.21
Net-(U26-BOOT): length 2.9
  Top w0.5: C26.1 29.27,56.2 U26.1
Net-(U26-COMP): length 4.2
  Top w0.3: U26.6 34.94,51.7 C41.1 34.89,51.65 R95.1
Net-(U26-RT/CLK): length 2.1
  Top w0.3: R3.1 U26.4
Net-(U39-FB): length 3.4
  Top w0.3: U39.4 37.13,42.63 R212.2 R213.2
Net-(U39-SW): length 2.8
  Top w0.3: L12.2 39.49,40.45 U39.5
unconnected-(C239-Pad2): length 4.8
  Top w0.2: U37.7 108.33,53.7 108.35,53.68 v1(108.35,53.35) ; R158.2 100.73,49.98 R154.2
  Bottom w0.2: C239.2 107.7,52.7 v1(108.35,53.35)
unconnected-(J23-Pad3): length 0.5
  In1.Cu w0.2: 105.2,0.02 104.9,-0.28 104.9,-0.37
unconnected-(U7-NC-Pad1): length 0.1
  Top w0.2: 90.44,46.9 U7.1

## Copper pours and planes (outline as drawn; the poured copper is in the pictures)
GND on Top: 60.75,33.12 59.89,33.12 59.89,34.5 60.69,34.53 60.75,33.13
GND on In1.Cu: 208.04,109.52 208.98,-99.55 -88.51,-98.93 -88.93,109.13 207.76,109.35
GND on In8.Cu: 207.17,109.02 208.28,-99.72 -89.68,-98.63 -89.51,108.48 208.07,109.59
P5V on Top: 49.23,52.29 49.24,44.44 36.29,44.42 36.28,52.29
(no net) on Top: 60.06,35.72 60.06,37.48 58.7,37.46 58.75,34.86 59.14,34.4 59.2,33.08 59.81,33.12 59.78,34.9 59.89,37.44 59.89,37.45
/DLPA2005_Interface/L2 on Top: 61.82,34.75 61.8,34.73 61.62,34.59 61.47,34.28 61.47,33.13 60.81,33.18 60.85,37.52 62.02,37.53 62.08,35.32 61.83,34.75
/DLPA2005_Interface/VRST on Top: 114.43,23.69 114.49,21.71 113.24,21.75 113.31,23.69 114.39,23.71
EXT_VIN on Top: 6.51,63.71 24.01,63.71 24.01,34.79 6.51,34.79
EXT_VIN on Top: 23.12,53.2 26.04,53.2 26.04,49.93 23.12,49.93
P1P1V on In3.Cu: -88.27,108.96 -89.92,-100.03 208.56,-100.8 207.67,109.59 -88.55,109.53 -88.56,108.25
P1P8V_DLPC on In6.Cu: 207.76,109.35 207.33,-100.5 -89.87,-100.05 -88.48,109.44 207.95,109.75
P3P3V on In5.Cu: 207.95,108.45 208.55,-101.39 -89.86,-100.41 -87.97,109.18 208.91,109.5
P3P3V_SB on Top: 29.19,40.87 40.29,40.87 40.29,34.49 29.19,34.49
P3P3V_SB on In7.Cu: 93.52,-0.15 98.16,-0.25 98.16,2.81 89.75,2.72 89.8,-2.93 98.17,-2.93 98.17,-0.28 98.16,-0.26
VBIAS on Top: 117.62,23.67 117.68,21.69 116.43,21.72 116.5,23.67 117.58,23.68
VOFS on Top: 116.12,23.69 116.18,21.71 114.93,21.74 115,23.69 116.34,23.85

## Text on the board
In8.Cu: MarahTaq.github.io
